# Allegro board MB1045.brd (continued)
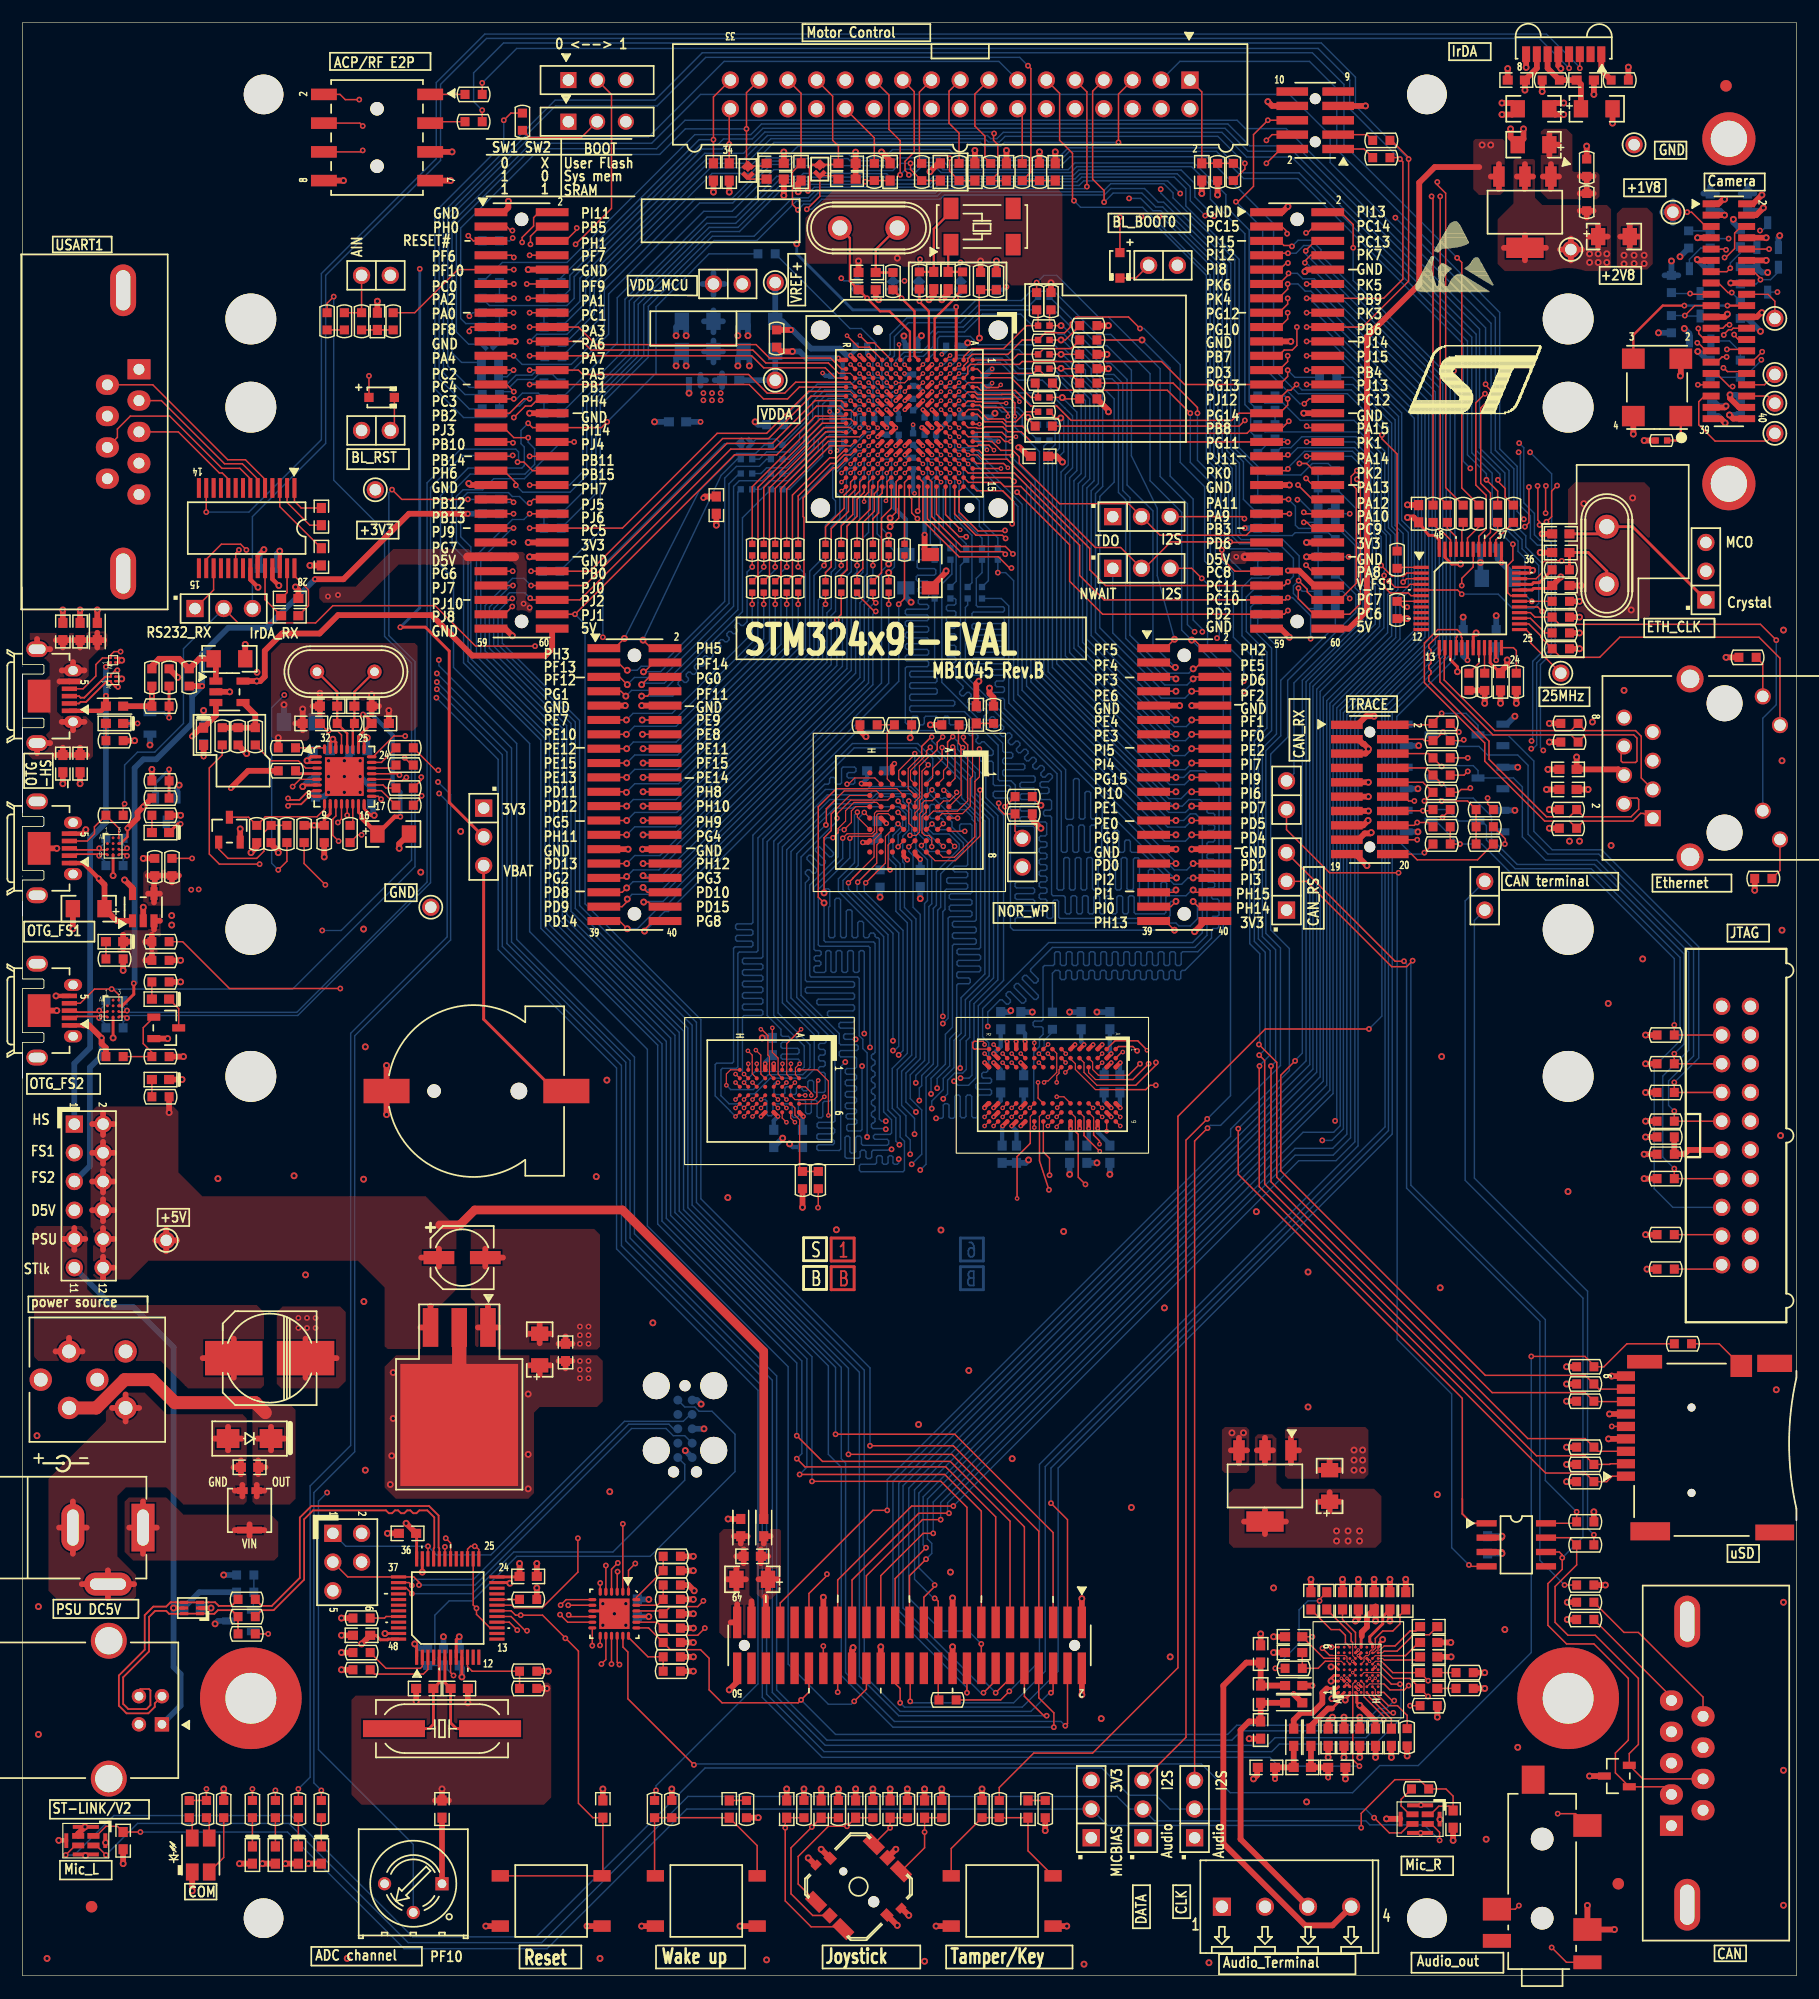
[diagram p0: board, top side]
## Routing (per net, layer and track width the routed paths; a pad name or vN(x,y) marks a point on that pad's centre or on a via; arc(x,y) is an arc through that point) (continued)
D11: length 136.1
  TOP w0.102: U8.G4 75.52,103.76 73.51,103.76 72.77,103.02 72.77,102.11 72.11,101.45 72.11,101.09 71.88,100.86 ; 65.9,82.8 65.9,81.42 66.04,81.28 66.04,79.73 U11.D2 ; v2(85.86,82.34) U10.P1
  TOP w0.127: 65.9,82.8 65.9,83.14 65.34,83.69 v2(65.28,83.69) ; 71.88,100.86 v5(71.65,100.63) ; CN11.20 v4(54.86,105.97) ; R56.2 v1(68.58,124.59)
  L4_SIG w0.102: v5(71.65,100.63) 71.6,100.58 69.37,100.58 63.98,105.97 v4(54.86,105.97) ; v2(65.28,83.69) 65.46,83.69 66.14,83.01 73.46,83.01 v1(73.66,82.8) 74.52,82.8 74.86,83.13 85.58,83.13 85.86,82.85 v2(85.86,82.34)
  BOTTOM w0.127: v5(71.65,100.63) 71.09,100.63 70.83,100.37 70.83,100.19 71.7,99.31 71.7,99.13 71.52,98.95 71.34,98.95 70.47,99.83 70.29,99.83 70.11,99.65 70.11,99.47 70.98,98.59 70.98,98.41 70.78,98.21 70.6,98.21 69.72,99.08 69.54,99.08 69.36,98.9 69.36,98.72 70.24,97.85 70.24,97.67 70.06,97.49 69.88,97.49 69.58,97.79 69.4,97.79 69.22,97.61 69.22,97.43 69.52,97.13 69.52,96.95 69.22,96.65 69.22,88.04 69.34,87.91 73.43,87.91 73.56,87.78 73.56,87.53 73.43,87.4 69.34,87.4 69.22,87.27 69.22,87.02 69.34,86.89 73.43,86.89 73.56,86.77 73.56,86.49 73.43,86.36 70.36,86.36 70.23,86.23 70.23,85.98 70.36,85.85 73.43,85.85 73.56,85.72 73.56,85.45 73.43,85.32 71.3,85.32 71.17,85.19 71.17,84.94 71.3,84.81 73.43,84.81 73.56,84.68 73.56,84.43 73.43,84.3 72.31,84.3 72.19,84.18 72.19,83.92 72.31,83.79 73.43,83.79 73.56,83.67 73.56,83.41 73.43,83.29 72.72,83.29 72.59,83.16 72.59,82.93 72.72,82.8 v1(73.66,82.8) ; v1(68.58,124.59) 69.22,123.95 69.22,117.35 57.84,105.97 v4(54.86,105.97)
D12: length 129.8
  TOP w0.102: v2(86.66,81.54) U10.N2 ; v2(64.84,81.85) 65.28,81.41 65.28,79.74 U11.E2 ; v5(73.15,100.58) 73.33,100.76 75.19,100.76 75.53,101.11 75.53,102.63 75.67,102.77 76.51,102.77 U8.F5
  TOP w0.127: CN11.17 v4(53.42,107.24) ; R68.2 v1(67.56,121.28)
  L4_SIG w0.102: v2(64.84,81.85) 64.96,81.98 72.34,81.98 72.44,82.08 72.44,82.3 72.55,82.4 72.75,82.4 72.85,82.3 72.85,82.08 72.95,81.98 74.81,81.98 v1(74.93,82.09) 75.59,82.09 75.74,82.25 84.51,82.25 84.84,81.92 86.03,81.92 86.4,81.54 v2(86.66,81.54) ; v4(53.42,107.24) 52.83,106.65 52.83,105.69 53.09,105.44 55.47,105.44 55.57,105.33 55.57,104.42 55.67,104.32 55.9,104.32 56,104.42 56,105.51 56.11,105.61 56.31,105.61 56.41,105.51 56.41,104.42 56.51,104.32 56.72,104.32 56.82,104.42 56.82,105.51 56.92,105.61 57.12,105.61 57.22,105.51 57.22,104.42 57.33,104.32 57.53,104.32 57.63,104.42 57.63,105.51 57.73,105.61 57.94,105.61 58.04,105.51 58.04,104.42 58.14,104.32 58.34,104.32 58.44,104.42 58.44,105.51 58.54,105.61 58.75,105.61 58.85,105.51 58.85,104.42 58.95,104.32 59.15,104.32 59.26,104.42 59.26,105.51 59.36,105.61 59.56,105.61 59.66,105.51 59.66,104.42 59.76,104.32 59.97,104.32 60.07,104.42 60.07,105.51 60.17,105.61 60.37,105.61 60.48,105.51 60.48,104.42 60.58,104.32 60.78,104.32 60.88,104.42 60.88,105.51 60.98,105.61 61.19,105.61 61.29,105.51 61.29,104.42 61.39,104.32 61.59,104.32 61.69,104.42 61.69,105.51 61.8,105.61 62,105.61 62.1,105.51 62.1,104.42 62.2,104.32 62.41,104.32 62.51,104.42 62.51,105.51 62.61,105.61 62.81,105.61 62.91,105.51 62.91,104.42 63.02,104.32 63.22,104.32 63.32,104.42 63.32,105.51 63.42,105.61 63.62,105.61 63.73,105.51 63.73,104.42 63.83,104.32 65.02,104.32 69.14,100.2 72.77,100.2 v5(73.15,100.58)
  BOTTOM w0.127: v4(53.42,107.24) 54.13,107.95 57.91,107.95 67.56,117.6 v1(67.56,121.28) ; v1(74.93,82.09) 74.93,90.91 74.8,91.03 70.48,91.03 70.36,91.16 70.36,96.06 73.15,98.86 v5(73.15,100.58)
D13: length 142.8
  TOP w0.102: 84.27,82.63 84.93,82.63 85.06,82.5 v2(85.06,82.34) ; U11.F2 64.52,79.75 64.52,80.79 64.52,80.8 64.52,81.41 v2(64.14,81.79) ; U8.G6 75.91,101.06 75.29,100.44 75.29,98.93 74.15,97.79 ; U10.R1 84.27,81.94
  TOP w0.127: v5(73.03,96.65) 73.41,97.03 73.41,97.05 74.15,97.79 ; v4(53.42,96.2) 53.03,95.81 CN11.35 ; 84.27,81.94 84.15,81.94 84.02,82.07 84.02,82.5 84.15,82.63 84.27,82.63 ; R60.2 v1(75.18,124.71)
  L4_SIG w0.102: v5(73.03,96.65) 69.9,96.65 69.77,96.52 69.77,95.94 69.65,95.81 66.47,95.81 66.34,95.68 66.34,94.54 66.22,94.41 66.03,94.41 65.91,94.54 65.91,95.66 65.81,95.76 65.6,95.76 65.5,95.66 65.5,94.51 65.4,94.41 65.2,94.41 65.09,94.51 65.09,95.66 64.99,95.76 64.79,95.76 64.69,95.66 64.69,94.51 64.59,94.41 64.38,94.41 64.28,94.51 64.28,95.66 64.18,95.76 63.98,95.76 63.87,95.66 63.87,94.51 63.77,94.41 63.57,94.41 63.47,94.51 63.47,95.66 63.37,95.76 63.16,95.76 63.06,95.66 63.06,94.51 62.96,94.41 62.76,94.41 62.66,94.51 62.66,95.66 62.55,95.76 62.35,95.76 62.25,95.66 62.25,94.51 62.15,94.41 61.94,94.41 61.84,94.51 61.84,95.66 61.74,95.76 61.54,95.76 61.44,95.66 61.44,94.51 61.33,94.41 61.13,94.41 61.03,94.51 61.03,95.66 60.93,95.76 60.73,95.76 60.62,95.66 60.62,94.51 60.52,94.41 60.32,94.41 60.22,94.51 60.22,95.66 60.12,95.76 59.91,95.76 59.81,95.66 59.81,94.51 59.71,94.41 59.51,94.41 59.4,94.51 59.4,95.66 59.3,95.76 59.1,95.76 59,95.66 59,94.51 58.9,94.41 58.69,94.41 58.59,94.51 58.59,95.66 58.49,95.76 58.29,95.76 58.19,95.66 58.19,94.51 58.08,94.41 57.88,94.41 57.78,94.51 57.78,95.66 57.68,95.76 53.85,95.76 v4(53.42,96.2) ; v2(64.14,81.79) 64.14,81.92 64.55,82.33 71.87,82.33 72.24,82.7 73.05,82.7 73.42,82.33 74.56,82.33 74.9,82.68 v1(76.96,82.68) 77.09,82.55 77.91,82.55 78.01,82.65 78.01,82.73 78.11,82.83 78.31,82.83 78.42,82.73 78.42,82.65 78.52,82.55 78.72,82.55 78.82,82.65 78.82,82.73 78.92,82.83 79.13,82.83 79.23,82.73 79.23,82.65 79.33,82.55 79.53,82.55 79.64,82.65 79.64,82.73 79.74,82.83 79.94,82.83 80.04,82.73 80.04,82.65 80.14,82.55 80.35,82.55 80.45,82.65 80.45,82.73 80.55,82.83 80.75,82.83 80.85,82.73 80.85,82.65 80.96,82.55 81.16,82.55 81.26,82.65 81.26,82.73 81.36,82.83 81.57,82.83 81.67,82.73 81.67,82.65 81.77,82.55 81.97,82.55 82.07,82.65 82.07,82.73 82.18,82.83 82.38,82.83 82.48,82.73 82.48,82.65 82.58,82.55 82.79,82.55 82.89,82.65 82.89,82.73 82.99,82.83 83.19,82.83 83.29,82.73 83.29,82.65 83.39,82.55 83.6,82.55 83.7,82.65 83.7,82.73 83.8,82.83 84,82.83 84.11,82.73 84.11,82.65 84.21,82.55 84.51,82.55 84.63,82.68 84.63,82.7 84.76,82.83 85.37,82.83 85.5,82.7 85.5,82.47 85.37,82.34 v2(85.06,82.34)
  BOTTOM w0.127: v1(76.96,82.68) 76.96,92.18 73.03,96.11 v5(73.03,96.65) ; v1(75.18,124.71) 75.18,123.83 74.8,123.44 74.8,121.64 74.42,121.25 74.42,114.55 56.62,96.75 53.98,96.75 53.42,96.2 v4(53.42,96.2)
D14: length 135.3
  TOP w0.102: U11.F1 v2(64.92,80.64) ; 75.69,97.79 76.29,98.39 76.29,100.75 U8.F6 ; v2(86.66,80.74) U10.N3
  TOP w0.127: CN11.37 53.01,94.54 53.47,95 v4(53.47,95.21) ; v1(75.44,120.65) 75.31,120.65 73.79,122.17 R72.2 ; v5(74.55,96.65) 75.69,97.79
  L4_SIG w0.102: v4(53.47,95.21) 53.71,95.45 57.18,95.45 57.3,95.33 57.3,94.21 57.43,94.08 66.67,94.08 66.77,94.18 66.77,95.4 66.88,95.5 67.08,95.5 67.18,95.4 67.18,94.18 67.28,94.08 67.49,94.08 67.59,94.18 67.59,95.4 67.69,95.5 67.89,95.5 67.99,95.4 67.99,94.18 68.09,94.08 68.3,94.08 68.4,94.18 68.4,95.4 68.5,95.5 68.7,95.5 68.81,95.4 68.81,94.18 68.91,94.08 69.11,94.08 69.21,94.18 69.21,95.4 69.31,95.5 69.52,95.5 69.62,95.4 69.62,94.18 69.72,94.08 69.95,94.08 70.08,94.21 70.08,96.15 70.21,96.28 71.38,96.28 71.48,96.18 71.48,95 71.59,94.89 71.79,94.89 71.89,95 71.89,96.18 71.99,96.28 72.2,96.28 72.3,96.18 72.3,95 72.4,94.89 72.6,94.89 72.7,95 72.7,96.07 72.82,96.19 72.99,96.19 73.11,96.07 73.11,95 73.21,94.89 73.41,94.89 73.52,95 73.52,96.18 73.62,96.28 73.86,96.28 73.99,96.15 73.99,95.1 74.12,94.97 74.42,94.97 74.55,95.1 v5(74.55,96.65) ; v2(86.66,80.74) 86.97,80.74 87.1,80.87 87.1,81.03 86.97,81.15 84.61,81.15 84.18,81.58 82.12,81.58 81.99,81.46 81.99,81.05 81.86,80.92 81.69,80.92 81.56,81.05 81.56,81.46 81.43,81.58 81.28,81.58 81.15,81.46 81.15,81.05 81.03,80.92 77.6,80.92 77.46,81.06 v1(77.46,81.42) 77.27,81.23 71.78,81.23 71.64,81.37 65.39,81.37 64.92,80.89 v2(64.92,80.64)
  BOTTOM w0.127: v1(75.44,120.65) 75.18,120.4 75.18,114.17 56.64,95.63 53.89,95.63 v4(53.47,95.21) ; v5(74.55,96.65) 74.42,96.52 74.42,95.86 77.85,92.43 77.85,81.81 v1(77.46,81.42)
D15: length 134.1
  TOP w0.102: v2(85.06,81.54) U10.R2 ; 74.93,97.79 75.53,98.39 75.53,99.99 U8.G7 ; U11.G1 v2(64.16,80.64)
  TOP w0.127: v4(54.86,96.24) 54.86,96.19 55.24,95.81 CN11.36 ; R73.2 75.18,121.67 v1(75.44,121.41) ; v5(73.84,96.7) 74.93,97.79
  L4_SIG w0.102: v2(85.06,81.54) 84.73,81.54 84.36,81.91 80.98,81.91 80.85,81.78 80.85,81.38 80.72,81.25 80.59,81.25 80.47,81.38 80.47,81.71 80.34,81.84 80.16,81.84 80.04,81.71 80.04,81.38 79.91,81.25 79.72,81.25 79.62,81.36 79.62,81.82 79.5,81.94 79.34,81.94 79.22,81.82 79.22,81.36 79.12,81.25 78.91,81.25 78.81,81.36 78.81,81.82 78.69,81.94 78.52,81.94 78.4,81.82 78.4,81.36 78.3,81.25 78.1,81.25 78,81.36 78,81.81 77.9,81.91 77.06,81.91 v1(76.96,81.81) 76.81,81.66 65.15,81.66 64.16,80.67 v2(64.16,80.64) ; v5(73.84,96.7) 73.84,96.94 73.71,97.07 69.6,97.07 69.47,96.94 69.47,96.32 69.34,96.19 69.19,96.19 69.06,96.32 69.06,96.88 68.94,97 68.76,97 68.63,96.88 68.63,96.32 68.5,96.19 68.33,96.19 68.22,96.29 68.22,96.98 68.12,97.08 67.92,97.08 67.82,96.98 67.82,96.29 67.72,96.19 67.51,96.19 67.41,96.29 67.41,96.98 67.31,97.08 67.11,97.08 67.01,96.98 67.01,96.29 66.9,96.19 66.7,96.19 66.6,96.29 66.6,96.98 66.5,97.08 66.29,97.08 66.19,96.98 66.19,96.29 66.09,96.19 65.89,96.19 65.79,96.29 65.79,96.98 65.68,97.08 65.48,97.08 65.38,96.98 65.38,96.29 65.28,96.19 65.08,96.19 64.97,96.29 64.97,96.98 64.87,97.08 64.67,97.08 64.57,96.98 64.57,96.29 64.47,96.19 64.26,96.19 64.16,96.29 64.16,96.98 64.06,97.08 63.86,97.08 63.75,96.98 63.75,96.18 63.64,96.06 63.47,96.06 63.35,96.18 63.35,96.98 63.25,97.08 63.04,97.08 62.94,96.98 62.94,96.18 62.82,96.06 62.65,96.06 62.54,96.18 62.54,96.98 62.43,97.08 62.23,97.08 62.13,96.98 62.13,96.18 62.01,96.06 61.84,96.06 61.72,96.18 61.72,96.98 61.62,97.08 61.42,97.08 61.32,96.98 61.32,96.18 61.2,96.06 61.03,96.06 60.91,96.18 60.91,96.98 60.81,97.08 60.6,97.08 60.5,96.98 60.5,96.21 60.38,96.09 60.22,96.09 60.1,96.21 60.1,96.98 60,97.08 59.79,97.08 59.69,96.98 59.69,96.23 59.57,96.11 59.4,96.11 59.28,96.23 59.28,96.98 59.18,97.08 58.98,97.08 58.88,96.98 58.88,96.18 58.76,96.06 58.59,96.06 58.47,96.18 58.47,96.98 58.37,97.08 58.17,97.08 58.06,96.98 58.06,96.21 57.95,96.09 57.78,96.09 57.66,96.21 57.66,96.98 57.56,97.08 57.35,97.08 57.25,96.98 57.25,96.18 57.13,96.06 56.96,96.06 56.85,96.18 56.85,96.98 56.74,97.08 56.54,97.08 56.44,96.98 56.44,96.18 56.32,96.06 56.15,96.06 56.03,96.18 56.03,96.83 55.91,96.95 55.75,96.95 55.63,96.83 55.63,96.29 55.52,96.19 54.91,96.19 v4(54.86,96.24)
  BOTTOM w0.127: v4(54.86,96.24) 55.09,96.01 56.48,96.01 74.8,114.33 74.8,120.9 75.31,121.41 v1(75.44,121.41) ; v5(73.84,96.7) 73.79,96.65 73.79,95.9 77.47,92.22 77.47,82.19 77.09,81.81 v1(76.96,81.81)
D16: length 117.6
  TOP w0.102: 93.85,74.66 93.85,75.95 U10.E8
  TOP w0.127: v2(95.25,72.9) 93.85,74.3 93.85,74.66 ; R57.1 70.99,124.84 v1(70.87,124.71) ; CN11.22 v4(54.86,104.7)
  L4_SIG w0.102: v2(95.25,72.9) 92.3,72.9 88.9,69.49 66.62,69.49 51.66,84.45 51.66,89.13 51.77,89.23 53.73,89.23 53.85,89.35 53.85,89.52 53.73,89.64 51.77,89.64 51.66,89.74 51.66,89.94 51.77,90.05 52.92,90.05 53.04,90.17 53.04,90.33 52.92,90.45 51.77,90.45 51.66,90.55 51.66,90.76 51.77,90.86 52.08,90.86 52.2,90.98 52.2,91.15 52.08,91.27 51.77,91.27 51.66,91.37 51.66,104.17 52.63,105.13 54.03,105.13 54.46,104.7 v4(54.86,104.7)
  BOTTOM w0.127: v1(70.87,124.71) 69.98,123.83 69.98,116.74 57.93,104.7 v4(54.86,104.7)
D17: length 121.4
  TOP w0.102: v2(94.66,76.74) U10.D7
  TOP w0.127: CN11.26 v4(54.86,102.16) ; R58.1 v1(72.39,124.71)
  L4_SIG w0.102: v4(54.86,102.16) 54.18,102.16 53.59,102.74 52.96,102.74 52.27,102.06 52.27,92.08 54.46,89.89 54.46,86.97 54.36,86.87 52.43,86.87 52.32,86.77 52.32,86.56 52.43,86.46 54.36,86.46 54.46,86.36 54.46,86.16 54.36,86.06 52.43,86.06 52.32,85.95 52.32,85.75 52.43,85.65 54.36,85.65 54.46,85.55 54.46,85.34 54.36,85.24 52.43,85.24 52.32,85.14 52.32,84.76 66.95,70.13 88.6,70.13 92.51,74.04 95.76,74.04 96.27,74.55 96.27,75.31 95.89,75.69 95.89,76.23 95.78,76.33 95.07,76.33 v2(94.66,76.74)
  BOTTOM w0.127: v1(72.39,124.71) 72.39,124.46 71.88,123.95 71.88,120.65 71.5,120.27 71.5,115.95 57.71,102.16 v4(54.86,102.16)
D18: length 116.6
  TOP w0.102: 94.7,74.66 94.7,75.9 U10.D8
  TOP w0.127: v2(95.22,73.53) 95.22,73.81 94.7,74.33 94.7,74.66 ; R70.1 v1(70.99,121.28) ; CN11.24 v4(54.86,103.43)
  L4_SIG w0.102: v2(95.22,73.53) 92.46,73.53 88.72,69.8 66.83,69.8 51.97,84.66 51.97,87.19 52.07,87.29 54.05,87.29 54.15,87.39 54.15,87.59 54.05,87.7 52.07,87.7 51.97,87.8 51.97,88 52.07,88.1 54.05,88.1 54.15,88.2 54.15,88.41 54.05,88.51 52.07,88.51 51.97,88.61 51.97,88.81 52.07,88.91 54.05,88.91 54.15,89.02 54.15,89.69 51.97,91.87 51.97,103.15 52.83,104.01 53.59,104.01 54.18,103.43 v4(54.86,103.43)
  BOTTOM w0.127: v4(54.86,103.43) 57.81,103.43 70.74,116.36 70.74,121.03 v1(70.99,121.28)
D19: length 115.2
  TOP w0.102: v2(95.86,74.68) U10.B9
  TOP w0.127: R71.1 72.39,120.4 72,120 v1(72,119.9) ; CN11.27 v4(53.42,100.89)
  L4_SIG w0.102: v2(95.86,74.68) 95.61,74.42 92.46,74.42 88.47,70.43 67.08,70.43 54.79,82.73 54.79,83.49 54.69,83.59 54,83.59 53.9,83.69 53.9,83.89 54,84 54.69,84 54.79,84.1 54.79,84.3 54.69,84.4 53.13,84.4 53.01,84.52 53.01,84.69 53.13,84.81 54.69,84.81 54.79,84.91 54.79,85.95 54.89,86.05 55.8,86.05 55.91,86.15 55.91,86.35 55.8,86.45 54.89,86.45 54.79,86.56 54.79,86.76 54.89,86.86 55.8,86.86 55.91,86.96 55.91,87.16 55.8,87.27 54.89,87.27 54.79,87.37 54.79,87.57 54.89,87.67 55.8,87.67 55.91,87.77 55.91,87.98 55.8,88.08 54.89,88.08 54.79,88.18 54.79,88.38 54.89,88.49 55.8,88.49 55.91,88.59 55.91,88.79 55.8,88.89 54.89,88.89 54.79,88.99 54.79,89.2 54.89,89.3 55.19,89.3 55.32,89.43 55.32,89.58 55.19,89.7 54.89,89.7 54.79,89.81 54.79,90.09 52.58,92.3 52.58,100.05 v4(53.42,100.89)
  BOTTOM w0.127: v4(53.42,100.89) 54.13,101.6 57.73,101.6 72,115.86 v1(72,119.9)
D20: length 118.4
  TOP w0.102: v2(95.46,75.94) U10.C8
  TOP w0.127: CN11.32 v4(54.86,98.35) ; R59.1 v1(73.79,124.71)
  L4_SIG w0.102: v4(54.86,98.35) 54.15,99.06 53.42,99.06 52.88,98.53 52.88,92.46 56.21,89.13 56.21,85.8 56.11,85.7 55.19,85.7 55.09,85.6 55.09,85.39 55.19,85.29 56.11,85.29 56.21,85.19 56.21,84.99 56.11,84.89 55.19,84.89 55.09,84.78 55.09,84.58 55.19,84.48 56.11,84.48 56.21,84.38 56.21,84.17 56.11,84.07 55.19,84.07 55.09,83.97 55.09,83.77 55.19,83.67 56.11,83.67 56.21,83.56 56.21,83.36 56.11,83.26 55.19,83.26 55.09,83.16 55.09,82.96 55.19,82.85 56.11,82.85 56.21,82.75 56.21,81.81 67.21,70.82 88.37,70.82 92.25,74.7 92.25,76.05 92.38,76.17 92.66,76.17 92.79,76.05 92.79,75.39 92.91,75.26 93.17,75.26 93.29,75.39 93.29,76.05 93.42,76.17 93.63,76.17 93.76,76.05 93.76,75.34 93.86,75.23 94.06,75.23 94.16,75.34 94.16,76.08 94.28,76.2 94.45,76.2 94.57,76.08 94.57,75.34 94.67,75.23 94.88,75.23 94.98,75.34 94.98,75.84 95.08,75.94 v2(95.46,75.94)
  BOTTOM w0.127: v1(73.79,124.71) 73.79,124.15 73.27,123.63 73.27,115.44 56.18,98.35 v4(54.86,98.35)
D21: length 116.5
  TOP w0.102: v2(97.06,75.14) U10.A9
  TOP w0.127: v4(101.85,92.46) 101.04,93.27 CN12.39
  L4_SIG w0.102: v2(97.06,75.14) 96.65,75.55 96.65,76.94 97.66,77.95 97.66,87.68 101.85,91.87 v4(101.85,92.46)
  BOTTOM w0.127: R278.1 79.22,125.22 79.1,125.09 79.1,124.56 79.22,124.43 80.62,124.43 80.75,124.31 80.75,123.97 80.62,123.84 79.15,123.84 79.02,123.72 79.02,123.46 79.15,123.34 79.98,123.34 80.11,123.21 80.11,122.92 79.98,122.79 79.32,122.79 79.2,122.66 79.2,122.41 79.32,122.28 79.98,122.28 80.11,122.16 80.11,121.9 79.98,121.78 79.32,121.78 79.2,121.65 79.2,121.39 79.32,121.27 79.98,121.27 80.11,121.14 80.11,120.97 79.98,120.84 78.18,120.84 78.05,120.72 78.05,120.46 78.18,120.34 79.98,120.34 80.11,120.21 80.11,119.95 79.98,119.83 78.18,119.83 78.05,119.7 78.05,119.45 78.18,119.32 79.98,119.32 80.11,119.19 80.11,118.94 79.98,118.81 78.18,118.81 78.05,118.68 78.05,118.43 78.18,118.3 79.98,118.3 80.11,118.18 80.11,117.92 79.98,117.8 78.18,117.8 78.05,117.67 78.05,117.41 78.18,117.29 79.98,117.29 80.11,117.16 80.11,116.91 79.98,116.78 78.18,116.78 78.05,116.65 78.05,116.4 78.18,116.27 79.98,116.27 80.11,116.14 80.11,115.89 79.98,115.76 78.18,115.76 78.05,115.64 78.05,110.82 78.18,110.69 78.49,110.69 78.61,110.82 78.61,111.25 78.74,111.38 79.1,111.38 79.22,111.25 79.22,110.74 79.35,110.62 79.6,110.62 79.73,110.74 79.73,111.25 79.86,111.38 80.79,111.38 80.92,111.25 80.92,110.74 81.05,110.62 81.3,110.62 81.43,110.74 81.43,111.25 81.55,111.38 81.81,111.38 81.93,111.25 81.93,110.74 82.06,110.62 83.52,110.62 83.75,110.38 83.75,110.2 83.59,110.04 83.59,109.86 83.77,109.68 83.95,109.68 84.11,109.84 84.29,109.84 84.47,109.66 84.47,109.48 84.31,109.32 84.31,109.14 84.49,108.96 84.67,108.96 84.83,109.12 85.01,109.12 85.83,108.31 85.83,108.04 85.7,107.91 84.76,107.91 84.63,107.78 84.63,107.53 84.76,107.4 85.7,107.4 85.83,107.27 85.83,105.38 85.95,105.25 87.22,105.25 87.35,105.12 87.35,104.87 87.22,104.74 85.95,104.74 85.83,104.61 85.83,104.32 86,104.14 87.22,104.14 87.35,104.02 87.35,92.71 87.6,92.46 v4(101.85,92.46)
D22: length 113
  TOP w0.102: v2(95.46,76.74) U10.C7
  TOP w0.127: v4(103.5,95) 103.96,94.54 CN12.38
  L4_SIG w0.102: v4(103.5,95) 103,95.5 101.73,95.5 96.7,90.48 96.7,80.07 96.8,79.97 97.1,79.97 97.21,79.87 97.21,79.67 97.1,79.57 96.8,79.57 96.7,79.46 96.7,79.26 96.8,79.16 97.1,79.16 97.21,79.06 97.21,78.85 97.1,78.75 96.8,78.75 96.7,78.65 96.7,77.98 v2(95.46,76.74)
  BOTTOM w0.127: v4(103.5,95) 103.89,94.61 103.89,93.47 103.25,92.84 102.23,92.84 101.98,93.09 87.88,93.09 87.76,93.22 87.76,93.45 87.88,93.57 89.36,93.57 89.48,93.7 89.48,94.04 89.36,94.17 87.88,94.17 87.76,94.29 87.76,94.55 87.88,94.67 89.36,94.67 89.48,94.8 89.48,95.05 89.36,95.18 87.88,95.18 87.76,95.31 87.76,95.56 87.88,95.69 89.36,95.69 89.48,95.82 89.48,96.07 89.36,96.2 87.88,96.2 87.76,96.32 87.76,96.58 87.88,96.71 89.36,96.71 89.48,96.83 89.48,101.52 89.36,101.65 87.91,101.65 87.78,101.78 87.78,105.28 87.39,105.67 86.39,105.67 86.26,105.8 86.26,108.81 83.29,111.79 78.56,111.79 78.44,111.91 78.44,112.17 78.56,112.29 82.3,112.29 82.42,112.42 82.42,112.65 82.3,112.78 78.56,112.78 78.44,112.9 78.44,113.2 78.56,113.33 80.75,113.33 80.87,113.45 80.87,113.71 80.75,113.84 78.56,113.84 78.44,113.96 78.44,114.22 78.56,114.34 80.72,114.34 80.85,114.47 80.85,114.72 80.72,114.85 78.56,114.85 78.44,114.98 78.44,115.23 78.56,115.36 80.52,115.36 80.64,115.49 R291.1
D23: length 113.3
  TOP w0.102: v2(97.06,75.94) U10.A8
  TOP w0.127: v4(103.5,96.01) 103.71,95.81 CN12.36
  L4_SIG w0.102: v4(103.5,96.01) 103.76,96.01 104.17,95.61 104.17,93.6 98.04,87.48 98.04,76.93 v2(97.06,75.94)
  BOTTOM w0.127: v4(103.5,96.01) 103.38,96.01 102.87,95.5 101.22,95.5 101.09,95.38 101.09,94.03 100.97,93.9 98.41,93.9 98.29,94.03 98.29,95.38 98.16,95.5 97.91,95.5 97.78,95.38 97.78,94.03 97.65,93.9 97.4,93.9 97.27,94.03 97.27,95.38 97.14,95.5 96.89,95.5 96.76,95.38 96.76,94.03 96.64,93.9 96.38,93.9 96.25,94.03 96.25,95.38 96.13,95.5 95.87,95.5 95.75,95.38 95.75,94.03 95.62,93.9 95.37,93.9 95.24,94.03 95.24,95.38 95.11,95.5 94.86,95.5 94.73,95.38 94.73,94.03 94.6,93.9 94.35,93.9 94.22,94.03 94.22,95.38 94.1,95.5 93.84,95.5 93.71,95.38 93.71,94.03 93.59,93.9 93.33,93.9 93.21,94.03 93.21,95.38 93.08,95.5 92.83,95.5 92.7,95.38 92.7,94.03 92.57,93.9 92.32,93.9 92.19,94.03 92.19,95.38 92.06,95.5 91.11,95.5 90.98,95.63 90.98,102.44 90.86,102.56 90.4,102.56 90.27,102.69 90.27,102.94 90.4,103.07 90.86,103.07 90.98,103.2 90.98,103.89 90.86,104.01 90.09,104.01 89.97,104.14 89.97,104.42 90.09,104.55 90.63,104.55 90.76,104.67 90.76,104.95 90.63,105.08 90.09,105.08 89.97,105.21 89.97,105.46 90.09,105.59 90.71,105.59 91.06,105.94 91.06,106.12 90.88,106.3 90.7,106.3 90.4,106 90.22,106 90.04,106.18 90.04,106.36 90.34,106.66 90.34,106.84 90.16,107.02 89.98,107.02 89.68,106.72 89.5,106.72 89.32,106.89 89.32,107.07 89.62,107.38 89.62,107.56 89.44,107.74 89.26,107.74 88.96,107.43 88.78,107.43 88.6,107.61 88.6,107.79 88.9,108.1 88.9,108.28 88.72,108.46 88.54,108.46 88.24,108.15 88.06,108.15 87.88,108.33 87.88,108.51 88.19,108.81 88.19,108.99 88.01,109.17 87.83,109.17 87.52,108.87 87.34,108.87 87.16,109.05 87.16,109.23 87.47,109.53 87.47,109.71 87.29,109.89 87.11,109.89 86.8,109.59 86.62,109.59 86.45,109.77 86.45,109.95 86.75,110.25 86.75,110.43 86.57,110.61 86.39,110.61 86.09,110.31 85.91,110.31 85.73,110.49 85.73,110.67 86.03,110.97 86.03,111.15 85.85,111.33 85.67,111.33 85.37,111.03 85.19,111.03 85.01,111.21 85.01,111.39 85.31,111.69 85.31,111.87 85.13,112.05 84.95,112.05 84.65,111.75 84.47,111.75 84.29,111.93 84.29,112.11 84.59,112.41 84.59,112.59 84.41,112.77 84.23,112.77 83.93,112.47 83.75,112.47 83.57,112.65 83.57,112.83 83.87,113.13 83.87,113.31 83.69,113.49 83.51,113.49 83.21,113.18 83.03,113.18 82.85,113.36 82.85,113.54 83.15,113.85 83.15,114.03 82.52,114.66 82.52,115.49 82.4,115.62 81.81,115.62 81.69,115.75 81.69,116 81.81,116.13 82.4,116.13 82.52,116.26 82.52,116.51 82.4,116.64 81.81,116.64 81.69,116.76 81.69,117.02 81.81,117.14 82.4,117.14 82.52,117.27 82.52,117.53 82.4,117.65 81.81,117.65 81.69,117.78 81.69,118.03 81.81,118.16 82.4,118.16 82.52,118.29 82.52,118.54 82.4,118.67 81.81,118.67 81.69,118.8 81.69,119.05 81.81,119.18 82.4,119.18 82.52,119.3 82.52,119.56 82.4,119.68 81.81,119.68 81.69,119.81 81.69,120.07 81.81,120.19 82.4,120.19 82.52,120.32 82.52,120.57 82.4,120.7 81.81,120.7 81.69,120.83 81.69,121.08 81.81,121.21 82.4,121.21 82.52,121.34 82.52,121.69 82.42,121.79 R290.1
D24: length 118.1
  TOP w0.127: CN12.37 101.52,94.54 101.85,94.87 101.85,94.88 v4(101.98,95.01) ; v2(97.28,81.68) 97.2,81.68 U10.A2
  L4_SIG w0.102: v2(97.28,81.68) 97.28,87.78 97.4,87.9 97.4,88.05 97.14,88.31 97.14,88.45 97.28,88.6 97.43,88.6 97.69,88.34 97.83,88.34 98.01,88.51 98.01,88.65 97.06,89.6 97.06,89.77 97.18,89.89 97.35,89.89 98.3,88.94 98.44,88.94 98.59,89.09 98.59,89.23 97.42,90.39 97.42,90.54 97.56,90.68 97.71,90.68 98.87,89.52 99.02,89.52 99.17,89.67 99.17,89.81 98.03,90.95 98.03,91.1 98.17,91.24 98.32,91.24 99.46,90.1 99.6,90.1 99.74,90.24 99.74,90.39 98.61,91.53 98.61,91.67 98.75,91.81 98.89,91.81 100.03,90.68 100.18,90.68 100.32,90.82 100.32,90.96 99.18,92.1 99.18,92.25 99.32,92.39 99.47,92.39 100.61,91.25 100.75,91.25 100.89,91.39 100.89,91.54 99.76,92.68 99.76,92.82 99.9,92.96 100.04,92.96 101.18,91.83 101.33,91.83 101.47,91.97 101.47,92.11 100.33,93.25 100.33,93.4 100.47,93.54 100.62,93.54 101.31,92.85 101.48,92.85 101.6,92.96 101.6,93.13 100.91,93.83 100.91,93.97 101.94,95.01 v4(101.98,95.01)
  BOTTOM w0.127: v4(101.98,95.01) 101.97,95 101.55,95 101.47,94.92 101.47,93.75 101.22,93.5 91.74,93.5 91.61,93.62 91.61,95 91.48,95.12 91.23,95.12 91.1,95 91.1,93.62 90.97,93.5 90.7,93.5 90.58,93.62 90.58,94.06 90.45,94.19 90.02,94.19 89.89,94.32 89.89,94.57 90.02,94.7 90.45,94.7 90.58,94.82 90.58,95.08 90.45,95.21 90.02,95.21 89.89,95.33 89.89,95.59 90.02,95.71 90.45,95.71 90.58,95.84 90.58,96.09 90.45,96.22 90.02,96.22 89.89,96.35 89.89,96.6 90.02,96.73 90.45,96.73 90.58,96.86 90.58,97.11 90.45,97.24 90.02,97.24 89.89,97.36 89.89,97.62 90.02,97.75 90.45,97.75 90.58,97.87 90.58,98.13 90.45,98.25 90.02,98.25 89.89,98.38 89.89,98.63 90.02,98.76 90.45,98.76 90.58,98.89 90.58,99.14 90.45,99.27 90.02,99.27 89.89,99.4 89.89,99.65 90.02,99.78 90.45,99.78 90.58,99.9 90.58,100.16 90.45,100.29 90.02,100.29 89.89,100.41 89.89,100.67 90.02,100.79 90.42,100.79 90.55,100.92 90.55,101.9 90.42,102.03 88.32,102.03 88.19,102.16 88.19,102.36 88.32,102.49 89.41,102.49 89.53,102.62 89.53,102.87 89.41,103 88.32,103 88.19,103.12 88.19,103.38 88.32,103.51 89.41,103.51 89.53,103.63 89.53,103.89 89.41,104.01 88.32,104.01 88.19,104.14 88.19,104.39 88.32,104.52 89.41,104.52 89.53,104.65 89.53,104.9 89.41,105.03 88.32,105.03 88.19,105.16 88.19,105.41 88.32,105.54 89.41,105.54 89.53,105.66 89.53,105.97 89.41,106.1 86.79,106.1 86.66,106.22 86.66,106.53 86.79,106.65 88.49,106.65 88.62,106.78 88.62,107.04 88.49,107.16 86.79,107.16 86.66,107.29 86.66,107.54 86.79,107.67 87.43,107.67 87.55,107.8 87.55,108.05 87.43,108.18 86.79,108.18 86.66,108.31 86.66,108.99 81.28,114.38 81.28,123.06 82.17,123.95 82.17,125.09 R277.1
D25: length 117.4
  TOP w0.102: v2(95.46,80.74) U10.C3
  TOP w0.127: v4(101.98,96.01) 101.78,95.81 CN12.35
  L4_SIG w0.102: v4(101.98,96.01) 101.7,96.01 96.29,90.6 96.29,82.08 95.9,81.69 95.9,78.97 95.78,78.84 95.59,78.84 95.46,78.97 v2(95.46,80.74)
  BOTTOM w0.127: R276.1 82.93,124.71 82.93,114.83 91.47,106.3 91.47,96.14 91.59,96.01 91.93,96.01 92.06,96.14 92.06,98.76 92.19,98.88 92.44,98.88 92.57,98.76 92.57,96.14 92.7,96.01 92.95,96.01 93.08,96.14 93.08,98.76 93.2,98.88 93.46,98.88 93.59,98.76 93.59,96.14 93.71,96.01 93.97,96.01 94.09,96.14 94.09,98.76 94.22,98.88 94.47,98.88 94.6,98.76 94.6,96.14 94.73,96.01 94.98,96.01 95.11,96.14 95.11,98.76 95.24,98.88 95.49,98.88 95.62,98.76 95.62,96.14 95.74,96.01 96,96.01 96.13,96.14 96.13,98.76 96.25,98.88 96.51,98.88 96.63,98.76 96.63,96.14 96.76,96.01 97.01,96.01 97.14,96.14 97.14,98.76 97.27,98.88 97.52,98.88 97.65,98.76 97.65,96.14 97.78,96.01 98.09,96.01 98.22,96.14 98.22,98.73 98.35,98.86 98.63,98.86 98.76,98.73 98.76,94.44 98.88,94.31 99.42,94.31 99.54,94.44 99.54,97.71 99.67,97.84 99.92,97.84 100.05,97.71 100.05,94.44 100.18,94.31 100.53,94.31 100.66,94.44 100.66,96.6 100.79,96.72 101.04,96.72 101.17,96.6 101.17,96.14 101.3,96.01 v4(101.98,96.01)